# KiCad board visionboard.kicad_pcb (continued)
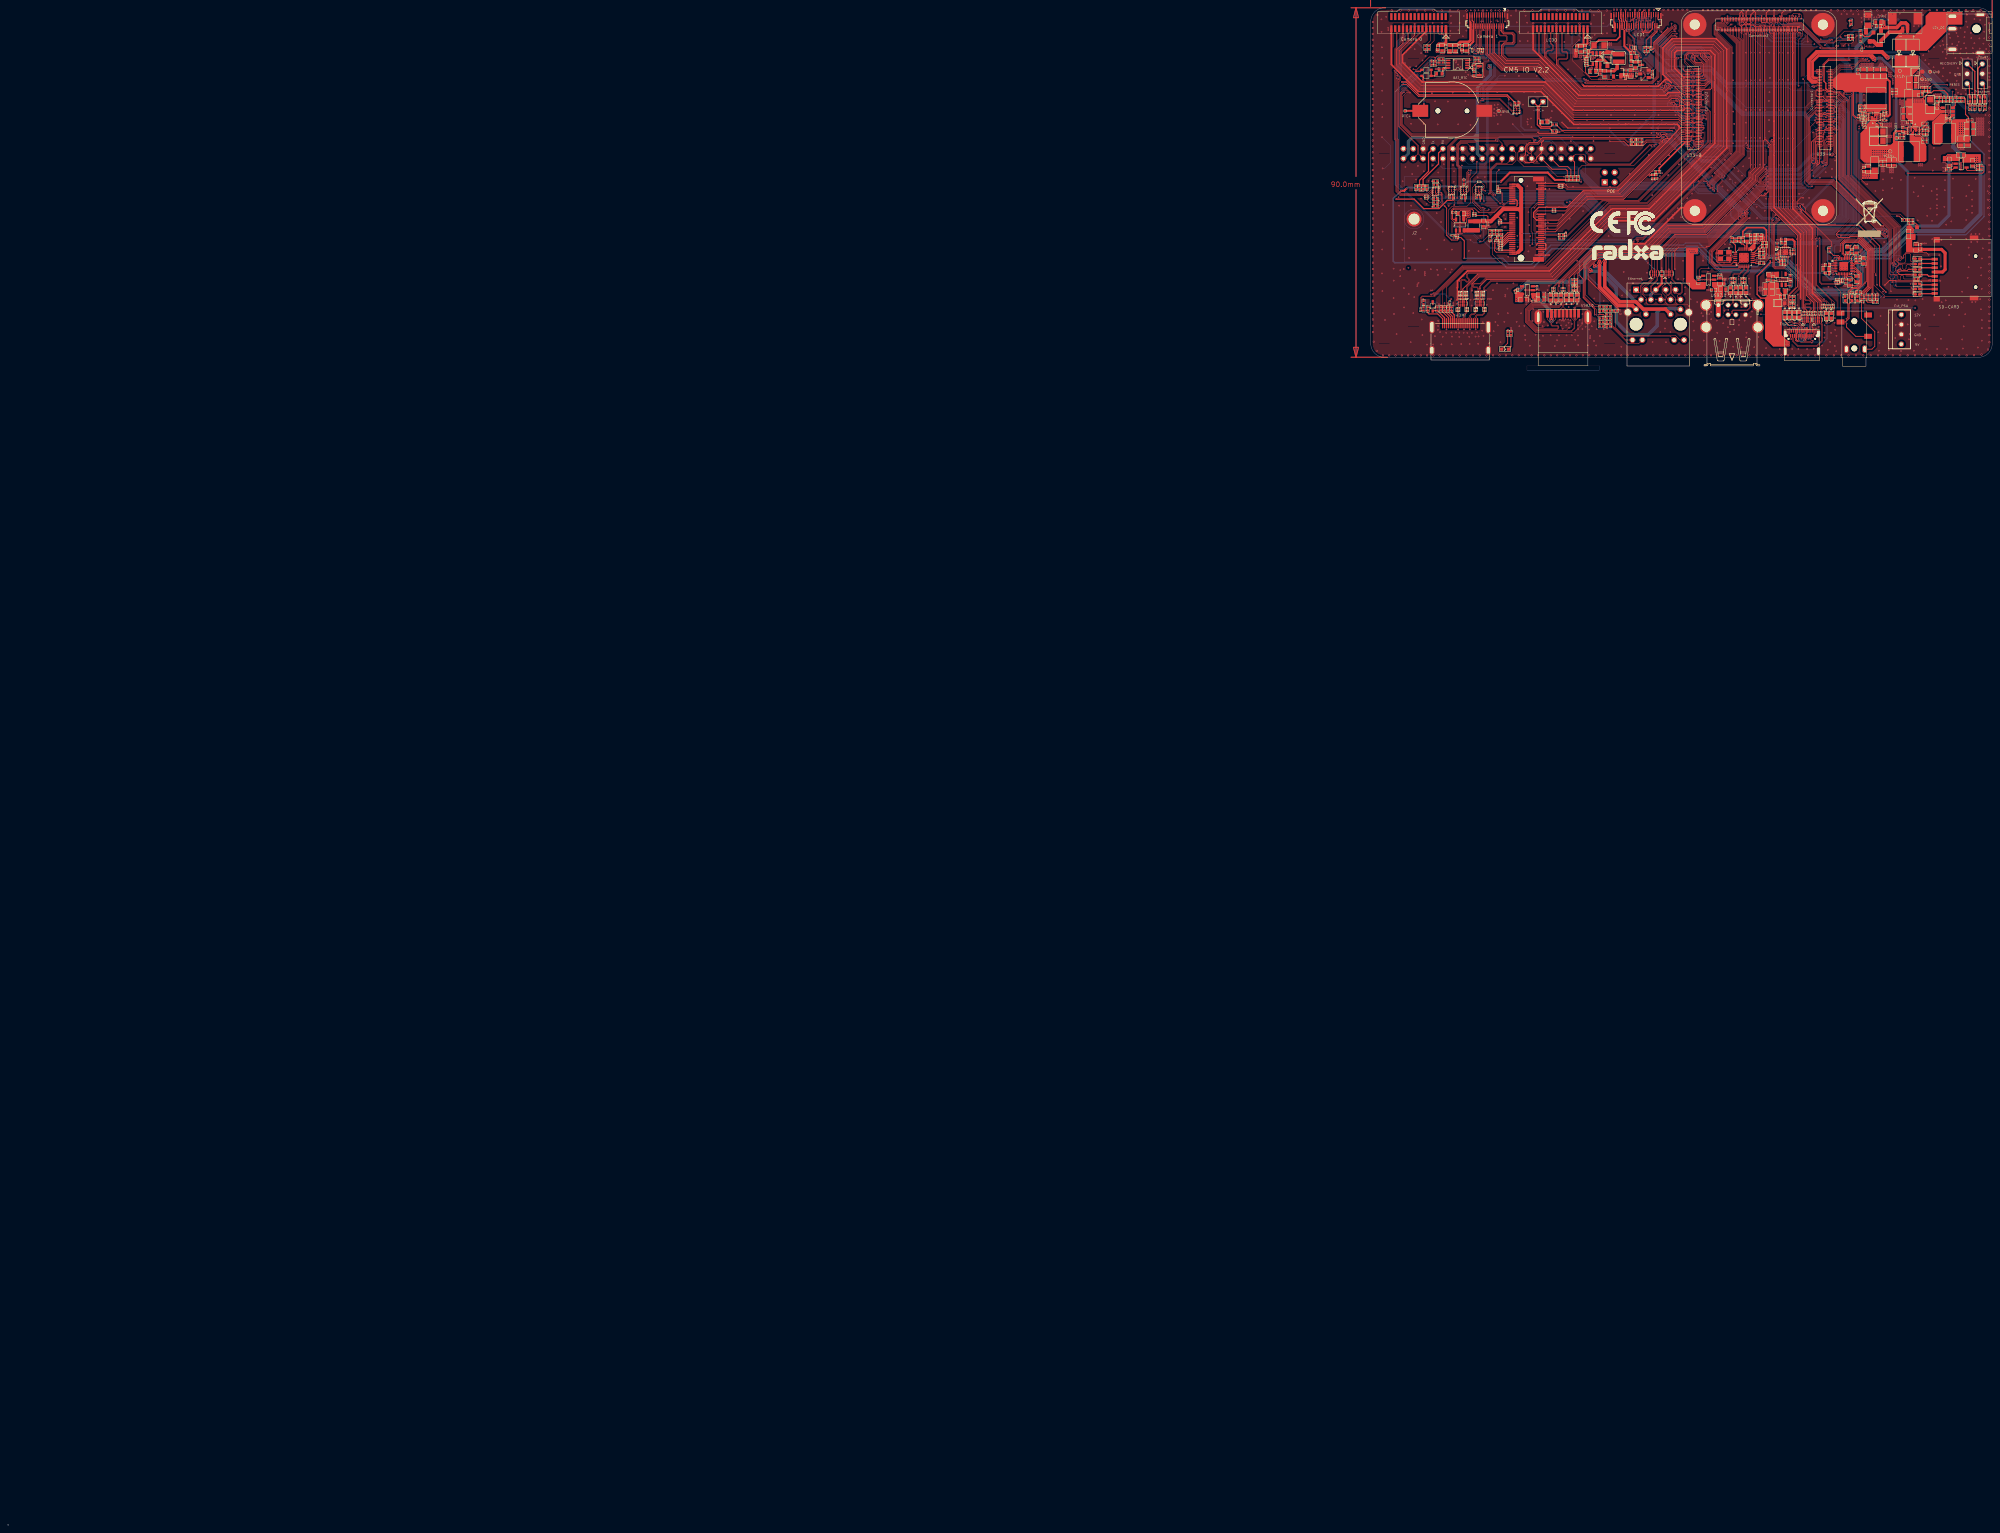
[diagram p0: board, top side]
## Routing (per net, layer and track width the routed paths; a pad name or vN(x,y) marks a point on that pad's centre or on a via; arc(x,y) is an arc through that point) (continued)
  Top w0.1: v1(461.56,385.19) 462.11,384.64 462.11,383.57 461.08,382.54 v1(461.08,370.72) ; J24.10 459.17,388.72 459.79,389.34 461.35,389.34 461.76,388.94 v1(461.76,388.02) ; v1(379.71,379.17) 379.78,379.24 R715.1
  Power w0.1: v1(461.76,388.02) 461.56,387.82 v1(461.56,385.19)
  Bottom w0.1: v1(461.08,370.72) 461.03,370.72 460.71,371.04 442.38,371.04 438.66,374.77 427.01,374.77 421.84,379.94 380.48,379.94 v1(379.71,379.17)
GPIO1_B7: length 130.2
  Top w0.1: U90133.B3 v1(372.81,343.94) ; v1(429.71,384.14) 428.56,384.14 425.13,380.71 425.13,372.94 423.39,371.19 406.46,371.19 406.16,371.49 v1(406.11,371.49) ; J24.12 458.77,388.68 v1(458.76,388.69)
  Power w0.1: v1(458.76,388.69) 458.76,386.93 457.61,385.78 457.61,381.68 457.27,381.34 444.54,381.34 443.01,382.87 430.98,382.87 v1(429.71,384.14) ; v1(372.81,343.94) 372.81,348.59 v1(374.38,350.17)
  Bottom w0.1: v1(374.38,350.17) 374.53,350.02 380.14,350.02 381.26,351.14 381.26,369.36 383.64,371.74 405.86,371.74 v1(406.11,371.49)
GPIO1_B7_E: length 40.8
  Top w0.1: U90133.B1 370.93,344.27 370.93,354.95 373.25,357.27 392.36,357.27 392.96,356.67 v1(392.96,356.47)
  Bottom w0.1: v1(392.96,356.47) 392.96,356.37 397.06,356.37 397.43,356 397.43,355.29
  Bottom w0.4: CON1.32 397.43,355.29
GPIO1_C1: length 225.2
  Top w0.1: J24.20 457.17,386.77 457.46,386.47 461.48,386.47 467.38,380.57 470.33,380.57 v1(470.81,381.04) ; v1(500.73,369.22) 500.73,367.89 R159.1 ; v1(372.41,339.99) 372.58,340.17 372.58,343.12 U90133.C3
  Bottom w0.1: v1(372.41,339.99) 372.71,339.69 373.53,339.69 373.81,339.97 385.31,339.97 385.61,340.27 400.23,340.27 400.98,339.52 405.88,339.52 413.43,331.97 452.96,331.97 454.61,330.32 471.59,330.32 475.91,334.64 475.91,371.03 474.41,372.53 474.41,375.36 474.61,375.56 474.61,376.09 470.83,379.86 470.83,380.92 v1(470.81,381.04) 470.81,382.14 471.36,382.69 473.16,382.69 475.56,385.09 477.74,385.09 480.36,387.72 486.8,387.72 489.16,385.36 489.16,380.49 500.43,369.22 v1(500.73,369.22)
GPIO1_C1_E: length 45.6
  Top w0.1: U90133.C1 370.73,343.97 370.73,355.03 373.17,357.47 392.45,357.47 393.15,356.77 v1(393.36,356.77)
  Bottom w0.1: 399.33,352.59 398.73,353.19 398.73,355.41 397.57,356.57 393.55,356.57 v1(393.36,356.77)
  Bottom w0.4: 399.33,352.59 CON1.33
GPIO1_C4: length 15.4
  Top w0.1: 376.54,355.06 375.79,355.81 374.11,355.81 373.61,355.31 373.61,350.34 374.33,349.62 U90132.A1
  Top w0.4: 376.54,355.06 CON1.16
GPIO1_C4_S: length 115.4
  Top w0.1: U90132.A3 375.63,344.74 375.63,348.42 v1(376.16,348.94) ; v1(438.81,344.4) 438.81,345.32 440.78,347.29 440.78,347.97 446.18,353.37 446.18,382.19 445.17,383.21 J24.79
  Bottom w0.1: v1(376.16,348.94) 376.68,348.42 404.16,348.42 409.48,343.09 415.78,343.09 417.4,344.72 434.69,344.72 435.44,343.97 438.54,343.97 438.81,344.24 v1(438.81,344.4)
GPIO1_C6: length 44.2
  Top w0.1: U90132.C1 373.82,343.95 373.82,349.56 373.21,350.17 373.21,355.47 374.08,356.34 383.51,356.34 v1(383.58,356.42)
  Bottom w0.1: 401.92,355.08 399.51,357.49 384.17,357.49 383.58,356.9 v1(383.58,356.42)
  Bottom w0.4: 401.92,355.08 CON1.36
GPIO1_C6_S: length 116.3
  Top w0.1: v1(376.23,347.84) 376.03,347.64 376.03,343.74 375.73,343.44 U90132.C3 ; v1(439.39,343.62) 439.39,345.3 441.18,347.09 441.18,347.77 446.58,353.17 446.58,382.39 445.97,383.01 J24.75
  Bottom w0.1: v1(376.23,347.84) 376.25,347.82 376.45,348.02 403.97,348.02 409.3,342.69 415.94,342.69 417.57,344.32 434.53,344.32 435.28,343.57 439.34,343.57 v1(439.39,343.62)
GPIO1_D2: length 47.4
  Top w0.1: v1(383.11,356.72) 382.93,356.54 374,356.54 373,355.55 373,350.1 373.62,349.48 373.62,343.65 U90132.D1
  Bottom w0.1: v1(383.11,356.72) 384.08,357.69 401.85,357.69 404.41,355.13
  Bottom w0.4: 404.41,355.13 CON1.38
GPIO1_D2_S: length 116.3
  Top w0.1: J24.83 444.37,383.59 445.98,381.98 445.98,353.47 440.58,348.07 440.58,347.39 438.47,345.28 438.47,344.48 v1(438.31,344.32) ; v1(376.71,348.94) 376.71,347.82 376.23,347.34 376.23,343.64 375.53,342.94 U90132.D3
  Bottom w0.1: v1(376.71,348.94) 377.03,348.62 404.24,348.62 409.57,343.29 415.69,343.29 417.32,344.92 434.78,344.92 435.37,344.32 v1(438.31,344.32)
GPIO1_D5: length 19
  Top w0.1: 379.08,355.06 378.13,356.01 374.03,356.01 373.41,355.39 373.41,350.25 374.02,349.64 374.02,344.25 U90132.B1
  Top w0.4: 379.08,355.06 CON1.18
GPIO1_D5_S: length 115.6
  Top w0.1: v1(439,343.94) 439.19,344.12 439.19,345.38 440.98,347.17 440.98,347.87 446.38,353.27 446.38,382.29 445.57,383.11 J24.77 ; v1(376.08,348.34) 375.83,348.09 375.83,344.44 U90132.B3
  Bottom w0.1: v1(376.08,348.34) 376.21,348.22 404.06,348.22 409.38,342.89 415.86,342.89 417.49,344.52 434.61,344.52 435.36,343.77 438.84,343.77 v1(439,343.94)
GPIO3_B7: length 117.5
  Top w0.1: v1(429.66,383.37) 429.63,383.34 428.33,383.34 425.78,380.79 425.78,372.19 v1(424.83,371.24) ; v1(423.98,355.27) 423.78,355.27 418.66,350.14 405.28,350.14 404.33,349.19 R95592.2 405.08,346.52 v1(405.08,345.94) ; v1(459.66,388.72) 459.96,388.42 459.96,387.82 J24.6 ; v1(400.71,347.29) 398.96,347.29 396.26,349.99 390.31,349.99 388.81,351.49 388.81,353.49 389.19,353.87
  Top w0.5: 389.19,353.87 CON1.26
  Power w0.1: v1(429.66,383.37) 429.63,383.34 430.31,382.67 442.93,382.67 444.46,381.14 457.36,381.14 457.81,381.59 457.81,385.69 459.36,387.24 459.36,388.22 459.66,388.52 v1(459.66,388.72)
  Bottom w0.1: v1(424.83,371.24) 424.83,371.04 423.98,370.19 423.98,363.14 423.58,362.74 423.58,356.32 423.98,355.92 v1(423.98,355.27) ; v1(405.08,345.94) 403.73,347.29 v1(400.71,347.29)
GPIO3_C0: length 102.4
  Top w0.1: v1(429.26,383.69) 428.4,383.69 425.51,380.8 425.51,372.22 425.08,371.79 v1(424.81,371.79) ; v1(460.36,388.64) 460.37,388.64 J24.4 ; v1(424.36,355.62) 424.36,355.64 422.76,355.64 417.68,350.57 407,350.57 406.28,351.28 406.28,352.57 405.76,353.09 403.65,353.09 403.14,352.58
  Top w0.23: CON1.35 403.41,351.06 R95593.2
  Top w0.4: CON1.35 403.14,352.58
  Power w0.1: v1(460.36,388.64) 460.08,388.64 459.56,388.12 459.56,387.16 458.01,385.61 458.01,381.51 457.44,380.94 444.37,380.94 442.85,382.47 429.99,382.47 429.26,383.2 v1(429.26,383.69)
  Bottom w0.1: v1(424.81,371.79) 425.18,371.42 425.18,371.09 424.18,370.09 424.18,363.04 423.78,362.64 423.78,356.42 424.36,355.84 v1(424.36,355.62)
GPIO4_A4: length 115.1
  Top w0.1: v1(406.36,372.29) 406.36,372.07 406.83,371.59 423.22,371.59 424.71,373.08 424.71,381.52 428.76,385.57 v1(429.36,385.57) ; v1(453.56,386.69) 453.57,386.7 J24.38
  Power w0.1: v1(429.36,385.57) 429.59,385.57 431.49,383.67 443.34,383.67 444.87,382.14 453.01,382.14 453.66,382.79 453.66,386.59 v1(453.56,386.69)
  Bottom w0.1: v1(406.36,372.29) 406.26,372.19 383.52,372.19 380.86,369.53 380.86,351.3 380.3,350.74 377.36,350.74 377.11,350.99 377.11,351.12
  Bottom w0.4: 377.11,351.12 CON1.15
GPIO4_A5: length 116.8
  Top w0.1: v1(429.23,386.07) 428.99,385.82 428.73,385.82 424.51,381.6 424.51,373.16 423.14,371.79 407.13,371.79 v1(406.86,372.07) ; v1(453.16,386.99) 453.16,387.82 J24.40
  Power w0.1: v1(429.23,386.07) 429.37,386.07 431.57,383.87 443.43,383.87 444.95,382.34 452.91,382.34 453.46,382.89 453.46,386.12 453.16,386.42 v1(453.16,386.99)
  Bottom w0.1: 375.18,351.34 375.98,350.54 380.38,350.54 381.06,351.22 381.06,369.44 383.56,371.94 406.63,371.94 v1(406.86,372.07)
  Bottom w0.4: CON1.13 375.18,351.34
GPIO4_A6: length 113.8
  Top w0.1: v1(437.58,345.63) 437.58,345.67 437.96,345.67 439.98,347.69 439.98,348.37 445.38,353.77 445.38,381.73 443.17,383.94 J24.89
  Bottom w0.1: 372.62,351.36 373.06,350.92 373.06,350.38 373.82,349.62 404.09,349.62 409.81,343.89 415.45,343.89 417.07,345.52 437.46,345.52 v1(437.58,345.63)
  Bottom w0.4: CON1.11 372.62,351.36
GPIO4_A7: length 119.2
  Top w0.1: v1(437.76,345.16) 437.76,345.29 437.88,345.29 440.18,347.59 440.18,348.27 445.58,353.67 445.58,381.81 443.57,383.82 J24.87
  Bottom w0.1: 367.56,351.34 369.49,349.42 404.01,349.42 409.73,343.69 415.53,343.69 417.15,345.32 434.94,345.32 435.21,345.05 437.65,345.05 v1(437.76,345.16)
  Bottom w0.4: CON1.7 367.56,351.34
GSENSOR_INT: length 59.2
  Top w0.1: v1(421.76,378.64) 422.26,379.14 422.26,379.57 R95541.2 ; v1(468.18,360.04) 468.18,360.22 468.74,360.78 U33.29
  Bottom w0.1: v1(468.18,360.04) 468.13,359.99 467.28,359.99 467.16,360.12 467.16,361.19 467.91,361.94 467.91,362.14 467.21,362.84 463.74,362.84 462.81,363.77 446.77,363.77 437.17,373.37 427.26,373.37 421.98,378.64 v1(421.76,378.64)
HDMI0_SBDN: length 10.5
  Top w0.051: 365.75,312.79 365.75,312.98 ; 365.59,312.93 365.59,313.12 ; 365.71,312.82 365.71,313.01 ; 365.64,312.89 365.64,313.08 ; 365.78,312.75 365.78,312.94 ; 365.62,312.91 365.62,313.1 ; 365.45,312.79 365.45,312.98 ; 365.67,312.85 365.67,313.04 ; 365.57,312.9 365.57,313.09 ; 365.41,312.75 365.41,312.94 ; 365.54,312.86 365.54,313.05 ; 365.52,312.84 365.52,313.03 ; 365.49,312.81 365.49,313
  Top w0.1: ED1.1 365.57,312.83 R95282.2 364.46,312.77 C90430.2
  Top w0.25: ED1.1 365.61,312.27 365.93,311.94 368.18,311.94 369.43,310.69 J1.19
HDMI0_SBDP: length 8.2
  Top w0.051: 370.93,312.82 370.93,313.01 ; 370.82,312.93 370.82,313.12 ; 370.74,312.84 370.74,313.03 ; 371.01,312.75 371.01,312.94 ; 370.84,312.91 370.84,313.1 ; 370.77,312.86 370.77,313.05 ; 370.89,312.85 370.89,313.04 ; 370.68,312.79 370.68,312.98 ; 370.64,312.75 370.64,312.94 ; 370.87,312.89 370.87,313.08 ; 370.97,312.79 370.97,312.98 ; 370.79,312.9 370.79,313.09 ; 370.72,312.81 370.72,313
  Top w0.1: C90429.2 371.28,313.24 ED5.1
  Top w0.25: J1.14 371.93,311.34 370.83,312.44 ED5.1
HDMI0_TX0N: length 130.4
  Top w0.1: L5005.2 375.18,317.52 R957.1 375.01,317.64 375.01,317.84 375.11,317.94 375.46,317.94 375.61,318.09 375.61,318.97 378.58,321.94 397.43,321.94 413.38,337.89 423.02,337.89 440.63,355.5 440.63,379.12 438.88,380.87 429.34,380.87 428.13,379.66 428.13,374.64 431.46,371.32 431.78,371.32 432.04,371.58 U33.184
HDMI0_TX0N_PORT: length 2.8
  Top w0.1: R95267.1 375.39,313.29 375.39,313.28 375.43,313.31 L5009.2 375.13,313.61 U3807.9 U3807.2 375.13,315.58 C90422.2
HDMI0_TX0N_PORT_C: length 3.7
  Top w0.1: L5009.3 375.51,312.69 375.51,312.39 374.83,311.72 374.83,311.12 374.43,310.72 J1.9
HDMI0_TX0P: length 130.9
  Top w0.1: R956.1 375.69,317.52 375.69,317.5 375.66,317.54 L5005.1 375.81,317.69 375.81,318.87 378.68,321.74 397.53,321.74 413.48,337.69 423.11,337.69 440.83,355.42 440.83,379.22 438.96,381.09 429.29,381.09 427.93,379.74 427.93,374.54 431.36,371.12 431.98,371.12 432.04,371.18 U33.182
HDMI0_TX0P_PORT: length 2.7
  Top w0.1: C90421.2 375.63,315.84 U3807.1 U3807.10 375.63,313.59 L5009.1
HDMI0_TX0P_PORT_C: length 3.8
  Top w0.1: J1.7 375.43,310.77 375.03,311.17 375.03,311.62 375.71,312.29 375.71,312.57 L5009.4
HDMI0_TX1N: length 135.3
  Top w0.1: U33.178 432.02,370.38 431.93,370.29 431.36,370.29 427.43,374.22 427.43,379.95 429.08,381.59 439.26,381.59 441.33,379.52 441.33,355.21 423.31,337.19 413.73,337.19 397.78,321.24 380.53,321.24 379.16,319.87 377.53,319.87 377.23,319.56 377.23,318.97 377.51,318.69 378.28,318.69 378.51,318.47 378.51,318.05 378.35,317.89 377.68,317.89 377.56,317.77 377.56,317.62 377.63,317.54 R955.1 378.01,317.55 L5004.2
HDMI0_TX1N_PORT: length 2.9
  Top w0.1: R95264.1 377.67,313.29 377.67,313.28 377.7,313.31 L5007.2 377.7,313.61 378.03,313.94 U3806.1 U3806.10 378.01,315.13 C90420.2
HDMI0_TX1N_PORT_C: length 4.5
  Top w0.1: J1.6 375.93,310.74 376.36,311.17 376.36,311.49 376.81,311.94 377.41,311.94 377.81,312.34 377.81,312.64 R95264.2 377.67,312.79 377.67,312.81 377.7,312.78 L5007.3
HDMI0_TX1P: length 135.2
  Top w0.1: L5004.1 R954.1 378.71,317.72 378.71,318.55 378.36,318.89 377.59,318.89 377.43,319.05 377.43,319.48 377.62,319.67 379.26,319.67 380.63,321.04 397.91,321.04 413.86,336.99 423.4,336.99 441.53,355.13 441.53,379.62 439.36,381.79 429,381.79 427.23,380.03 427.23,374.13 431.26,370.09 431.93,370.09 432.05,369.98 U33.176
HDMI0_TX1P_PORT: length 2.9
  Top w0.1: C90427.2 378.53,315.63 U3806.9 U3806.2 378.53,313.97 378.18,313.62 L5007.1 378.18,313.29 R95263.1
HDMI0_TX1P_PORT_C: length 4.5
  Top w0.1: L5007.4 378.18,312.77 378.22,312.81 378.22,312.79 R95263.2 378.01,312.57 378.01,312.24 377.51,311.74 376.91,311.74 376.56,311.39 376.56,311.14 376.93,310.77 J1.4
HDMI0_TX2N: length 135.3
  Top w0.1: L5003.2 379.55,317.57 R953.1 379.51,317.59 379.36,317.59 379.28,317.67 379.28,317.87 379.41,317.99 379.88,317.99 380.01,318.12 380.01,318.74 381.81,320.54 398.16,320.54 414.11,336.49 423.61,336.49 442.03,354.92 442.03,379.87 439.61,382.29 428.79,382.29 426.73,380.24 426.73,373.89 431.56,369.07 431.93,369.07 432.04,369.18 U33.172
HDMI0_TX2N_PORT: length 2.9
  Top w0.1: C90426.2 379.53,315.94 379.53,315.62 U3806.7 U3806.4 379.53,313.77 379.95,313.35 L5008.2 379.95,313.31 379.92,313.28 379.92,313.29 R95266.1
HDMI0_TX2N_PORT_C: length 5.3
  Top w0.1: J1.3 377.43,310.72 377.88,311.17 377.88,311.44 378.21,311.77 379.63,311.77 380.08,312.22 380.08,312.62 R95266.2
HDMI0_TX2P: length 135.6
  Top w0.1: R952.1 380.07,317.57 380.07,317.55 380.03,317.59 L5003.1 380.21,317.77 380.21,318.64 381.91,320.34 398.26,320.34 414.21,336.29 423.69,336.29 442.23,354.83 442.23,379.97 439.71,382.49 428.71,382.49 426.53,380.32 426.53,373.79 431.46,368.87 431.96,368.87 432.05,368.78 U33.170
HDMI0_TX2P_PORT: length 2.9
  Top w0.1: C90425.2 380.03,315.92 U3806.6 U3806.5 380.03,313.84 380.43,313.44 L5008.1 380.43,313.31 380.47,313.28 380.47,313.29 R95265.1
HDMI0_TX2P_PORT_C: length 5.2
  Top w0.1: L5008.4 380.28,312.62 380.28,312.12 379.73,311.57 378.31,311.57 378.08,311.34 378.08,311.09 378.46,310.72 378.46,309.54 J1.1
HDMI0_TX3N: length 130.5
  Top w0.1: L5006.2 373.68,317.52 R959.1 373.58,317.52 373.53,317.57 373.53,317.89 373.63,317.99 373.93,317.99 374.11,318.17 374.11,320.57 374.43,320.89 375.09,320.89 375.64,320.34 375.93,320.34 376.16,320.57 376.16,320.81 375.61,321.36 375.61,322.19 376.06,322.64 397.08,322.64 413.08,338.64 422.78,338.64 439.93,355.79 439.93,378.77 438.53,380.17 429.63,380.17 428.83,379.37 428.83,374.99 431.36,372.47 431.73,372.47 432.04,372.78 U33.190
HDMI0_TX3N_PORT: length 2.9
  Top w0.1: C90423.2 373.63,315.89 U3807.5 U3807.6 373.63,313.94 373.13,313.44 L5010.2 373.13,313.31 373.09,313.28 373.09,313.29 R95270.1
HDMI0_TX3N_PORT_C: length 3.5
  Top w0.1: J1.12 372.93,310.74 373.31,311.12 373.31,312.59 L5010.3
HDMI0_TX3P: length 130.8
  Top w0.1: R958.1 L5006.1 374.31,317.67 374.31,320.47 374.49,320.65 375.05,320.65 375.56,320.14 376.03,320.14 376.36,320.47 376.36,320.89 375.81,321.44 375.81,322.09 376.16,322.44 397.18,322.44 413.18,338.44 422.86,338.44 440.13,355.71 440.13,378.87 438.63,380.37 429.55,380.37 428.63,379.45 428.63,374.89 431.26,372.27 431.93,372.27 432.04,372.38 U33.188
HDMI0_TX3P_PORT: length 3
  Top w0.1: R95269.1 L5010.1 373.61,313.31 373.64,313.28 373.64,313.29 R95269.1 ; R95269.1 374.13,313.77 U3807.7 U3807.4 374.13,315.84 C90424.2
HDMI0_TX3P_PORT_C: length 3.6
  Top w0.1: R95269.2 373.64,312.79 373.64,312.81 373.61,312.77 L5010.4 R95269.2 ; R95269.2 373.51,312.64 373.51,311.17 373.93,310.74 J1.10
HDMI0_TX_SBDN_C: length 104.3
  Top w0.1: U33.147 435.67,364.38 435.86,364.57 437.03,364.57 437.86,363.75 437.86,356.16 422.09,340.39 412.26,340.39 396.08,324.22 374.62,324.22 367.62,317.22 367.18,317.22 366.53,316.57 364.13,316.57 363.76,316.19 C90430.1
HDMI0_TX_SBDP_C: length 104.6
  Top w0.1: v1(366.41,316.97) 366.65,316.97 367.1,317.42 367.54,317.42 374.54,324.42 395.98,324.42 412.18,340.62 422.03,340.62 437.66,356.24 437.66,363.66 436.95,364.37 436.06,364.37 435.67,363.98 U33.145 ; v1(371.68,315.79) 371.28,315.39 C90429.1
  Bottom w0.1: v1(371.68,315.79) 371.41,315.79 370.06,317.14 366.58,317.14 v1(366.41,316.97)
HDMI_TX0_CEC_PORT: length 112.9
  Top w0.051: 371.64,312.84 371.64,313.03 ; 371.79,312.85 371.79,313.04 ; 371.72,312.93 371.72,313.12 ; 371.87,312.79 371.87,312.98 ; 371.67,312.86 371.67,313.05 ; 371.62,312.81 371.62,313 ; 371.54,312.75 371.54,312.94 ; 371.77,312.89 371.77,313.08 ; 371.83,312.82 371.83,313.01 ; 371.58,312.79 371.58,312.98 ; 371.69,312.9 371.69,313.09 ; 371.74,312.91 371.74,313.1 ; 371.91,312.75 371.91,312.94
  Top w0.1: v1(367.26,316.79) 367.48,316.79 374.68,323.99 396.47,323.99 412.47,339.99 422.25,339.99 438.26,355.99 438.26,363.91 436.99,365.18 U33.151
  Top w0.25: ED9206.1 371.81,312.79
  Top w0.3: 371.81,312.79 v1(371.81,312.34) 372.43,311.72 J1.13
  Bottom w0.1: v1(371.81,312.34) 371.81,315.09 369.96,316.94 367.41,316.94 v1(367.26,316.79)
HDMI_TX0_HPD_M0: length 105.7
  Top w0.1: R95282.1 R95615.1 363.96,315.02 363.96,316.09 364.23,316.37 367.35,316.37 374.77,323.79 396.56,323.79 412.56,339.79 422.34,339.79 438.46,355.91 438.46,363.99 437.06,365.39 435.88,365.39 435.7,365.58 U33.153
HDMI_TX0_SCL_5V: length 132.8
  Top w0.051: 369.87,312.86 369.87,313.05 ; 369.84,312.84 369.84,313.03 ; 369.89,312.9 369.89,313.09 ; 369.92,312.93 369.92,313.12 ; 369.74,312.75 369.74,312.94 ; 369.99,312.85 369.99,313.04 ; 370.07,312.79 370.07,312.98 ; 370.11,312.75 370.11,312.94 ; 369.82,312.81 369.82,313 ; 369.94,312.91 369.94,313.1 ; 369.78,312.79 369.78,312.98 ; 370.03,312.82 370.03,313.01 ; 369.97,312.89 369.97,313.08
  Top w0.1: U33.200 433.32,374.78 433.38,374.84 433.38,374.95 431.66,376.67 431.66,378.55 432.5,379.39 438.23,379.39 439.16,378.47 439.16,356.05 422.5,339.39 412.75,339.39 396.75,323.39 374.94,323.39 370.36,318.81 370.36,313.22 ED3.1
  Top w0.25: ED3.1 369.86,312.79 371.43,311.22 J1.15
HDMI_TX0_SDA_5V: length 133
  Top w0.051: 369.09,312.85 369.09,313.04 ; 368.92,312.81 368.92,313 ; 368.97,312.86 368.97,313.05 ; 369.02,312.93 369.02,313.12 ; 369.04,312.91 369.04,313.1 ; 369.17,312.79 369.17,312.98 ; 368.99,312.9 368.99,313.09 ; 368.94,312.84 368.94,313.03 ; 369.07,312.89 369.07,313.08 ; 368.84,312.75 368.84,312.94 ; 369.13,312.82 369.13,313.01 ; 368.88,312.79 368.88,312.98 ; 369.21,312.75 369.21,312.94
  Top w0.1: ED2.1 369.48,313.24 369.48,318.22 374.86,323.59 396.64,323.59 412.64,339.59 422.42,339.59 438.96,356.13 438.96,378.39 438.15,379.19 432.58,379.19 431.86,378.47 431.86,377.02 434.11,374.77 435.17,374.77 U33.199
  Top w0.25: ED2.1 369.11,312.79 370.93,310.97 J1.16
HOST_WAKE_BT_H: length 148.2
  Top w0.1: v1(474.76,375.22) 474.63,375.34 471.92,375.34 469.76,373.18 U33.91 ; R95154.1 383.5,330.61 383.01,330.11 383.01,328.87 383.43,328.44 R95152.1 ; R95154.1 383.5,330.77 383.51,330.77 383.06,331.22 v1(383.06,331.22) ; R95154.1 R95147.1
  Bottom w0.1: v1(474.76,375.22) 474.76,372.52 476.11,371.17 476.11,334.34 471.88,330.12 454.51,330.12 452.88,331.74 418.44,331.74 417.91,331.22 v1(383.06,331.22)
HP_DET_L: length 91.9
  Top w0.1: v1(466.46,331.44) 466.61,331.29 466.61,320.24 467.06,319.79 R90341.2 ; v1(453.98,386.99) 453.98,387.82 J24.36
  Bottom w0.1: v1(453.98,386.99) 454.61,386.37 461.16,386.37 465.78,381.75 467.74,381.75 473.31,376.18 473.31,372.14 474.91,370.54 474.91,335.52 470.5,331.12 466.78,331.12 v1(466.46,331.44)
HP_INT: length 55.6
  Top w0.1: v1(461.51,338.44) 461.51,338.22 465.38,334.34 465.38,332.02 466.41,330.99 466.41,320.16 467.07,319.49 471.93,319.49 472.43,319.99 R95573.2 ; U33.20 467.76,358.78 v1(467.76,358.74)
  Bottom w0.1: v1(467.76,358.74) 470.66,358.74 470.88,358.52 470.88,347.72 461.6,338.44 v1(461.51,338.44)
HPOL: length 22.4
  Top w0.051: 474.87,315.56 474.87,315.75 ; 474.82,315.6 474.82,315.79 ; 474.84,315.59 474.84,315.78 ; 474.79,315.58 474.79,315.77 ; 474.77,315.54 474.77,315.73 ; 474.68,315.46 474.68,315.65 ; 474.89,315.52 474.89,315.71 ; 474.72,315.49 474.72,315.68 ; 474.93,315.5 474.93,315.69 ; 474.74,315.51 474.74,315.7 ; 474.64,315.42 474.64,315.61 ; 475.01,315.42 475.01,315.61 ; 474.97,315.46 474.97,315.65
  Top w0.2: U90129.20 475.56,324.03 477.28,322.32 477.28,319.52 476.23,318.47 475.03,318.47 474.51,317.94 R90338.2 474.13,317.04 474.13,315.98 ED2111.1 474.08,314.53 474.08,310.8 473.16,309.87 J15.3
HPOR: length 28.3
  Top w0.051: 472.93,315.45 472.93,315.64 ; 472.97,315.48 472.97,315.67 ; 473.18,315.49 473.18,315.68 ; 472.89,315.41 472.89,315.6 ; 473.07,315.59 473.07,315.78 ; 473.04,315.57 473.04,315.76 ; 472.99,315.5 472.99,315.69 ; 473.22,315.45 473.22,315.64 ; 473.26,315.41 473.26,315.6 ; 473.1,315.58 473.1,315.77 ; 473.12,315.55 473.12,315.74 ; 473.15,315.51 473.15,315.71 ; 473.02,315.53 473.02,315.72
  Top w0.2: v1(473.43,309.47) 473.43,308.54 475.8,306.17 J15.6 ; U90129.19 475.53,323.63 476.98,322.18 476.98,319.64 476.11,318.77 474.88,318.77 473.83,317.72 473.83,316.02 473.08,315.27 ED2110.1 473.78,314.58 473.78,311.07 v1(473.41,310.69)
  Bottom w0.2: v1(473.41,310.69) 473.43,310.67 v1(473.43,309.47)
I2C4_SCL_M3_WIFI: length 131.8
  Top w0.1: v1(470.21,364.44) 469.87,364.78 U33.49 ; v1(380.06,341.02) 380.06,342.47 379.63,342.89 U90135.D3
  Bottom w0.1: v1(470.21,364.44) 472.43,364.44 473.28,363.59 473.28,336.77 470.07,333.57 414.28,333.57 406.38,341.47 383.94,341.47 383.64,341.17 380.21,341.17 v1(380.06,341.02)
I2C4_SCL_M3_WIFI_E: length 19
  Top w0.1: v1(383.58,328.79) 383.59,328.82 383.81,329.04 R95150.1 ; U90135.D1 377.86,342.89 377.66,342.69 377.66,340.98 379.32,339.32 v1(379.81,339.32)
  Bottom w0.1: v1(379.81,339.32) 379.88,339.24 379.88,330.67 381.76,328.79 v1(383.58,328.79)
I2C4_SDA_M3_WIFI: length 116.9
  Top w0.1: U90135.C3 379.51,343.67 v1(380.43,343.67) 380.43,343.67 ; U33.25 469.92,359.98 470.11,359.79 v1(470.46,359.79)
  Bottom w0.1: v1(380.43,343.67) 407.48,343.67 408.71,342.44 416.11,342.44 417.73,344.07 434.28,344.07 435.28,343.07 440.45,343.07 443.68,339.84 443.68,337.29 445.41,335.57 459.13,335.57 471.08,347.52 471.08,358.6 470.46,359.23 v1(470.46,359.79)
I2C4_SDA_M3_WIFI_E: length 20.3
  Top w0.1: U90135.C1 377.86,343.39 377.46,342.99 377.46,340.9 379.41,338.94 380.11,338.94 v1(380.26,339.09) ; v1(383.63,329.62) R95149.1
  Bottom w0.1: v1(380.26,339.09) 380.08,338.92 380.08,330.77 381.86,328.99 383.28,328.99 383.63,329.34 v1(383.63,329.62)
I2C6_SCL_M3: length 189.3
  Top w0.1: v1(441.73,347.07) 441.58,347.22 441.58,347.57 446.98,352.97 446.98,383.79 446.77,384 J24.71 ; v1(359.47,369.02) 359.43,369.06 358.91,369.06 358.71,368.86 358.71,360.62 361.43,357.89 425.23,357.89 425.55,358.21 v1(425.5,358.26) ; U2602.6 457.9,326.47 458.19,326.17 458.19,324.87 457.27,323.94 455.09,323.94 454.75,324.29 454.75,335.02 455.78,336.05 455.78,336.44 v1(455.86,336.52) ; v1(368.16,376.69) R120.2
  Bottom w0.1: v1(368.16,376.69) 367.56,376.69 363.99,373.12 363.31,373.12 359.47,369.28 v1(359.47,369.02) ; v1(425.5,358.26) 425.5,358.47 425.68,358.64 427.62,358.64 428.17,358.09 428.89,358.09 435.94,351.04 438.17,351.04 441.68,347.54 441.68,347.07 v1(441.73,347.07) 441.73,346.74 451.78,336.69 454.73,336.69 455.11,336.32 455.66,336.32 v1(455.86,336.52)
I2C6_SDA_M3: length 188
  Top w0.1: v1(424.98,358.24) 425,358.24 425,358.23 424.87,358.1 361.52,358.1 358.91,360.72 358.91,368.56 v1(359.06,368.71) ; v1(442.03,347.47) 442.03,347.72 447.18,352.87 447.18,384.7 447.17,384.71 J24.69 ; U2602.7 458.4,324.79 457.35,323.74 455.01,323.74 454.55,324.2 454.55,335.32 455.31,336.07 v1(455.31,336.67) ; v1(368.16,377.57) R95377.2
  Bottom w0.1: v1(455.31,336.67) 455.06,336.67 454.83,336.89 451.86,336.89 442.08,346.68 442.08,347.47 v1(442.03,347.47) 438.26,351.24 436.02,351.24 428.97,358.29 428.26,358.29 427.71,358.84 425.58,358.84 v1(424.98,358.24) ; v1(368.16,377.57) 363.91,373.32 363.23,373.32 359.06,369.15 v1(359.06,368.71)
I2C7_SCL_M2: length 159.7
  Top w0.1: U33.80 465.92,370.78 465.69,370.54 465.26,370.54 v1(465.06,370.34) ; J7.3 368.23,384.22 368.58,383.87 v1(369.63,383.87) ; v1(357.71,373.82) 358.58,372.94 358.58,372.15 358.21,371.78 358.21,360.3 363.31,355.2 363.31,353.06 363.82,352.54 ; v1(402.73,384.24) J6.5
  Top w0.4: 363.82,352.54 CON1.5
  Bottom w0.1: v1(357.71,373.82) 358.16,374.27 358.16,381.9 360.9,384.64 369.38,384.64 369.63,384.39 v1(369.63,383.87) 369.63,382.1 370.46,381.27 402.36,381.27 402.73,381.64 v1(402.73,384.24) 403.08,384.59 403.88,384.59 404.08,384.39 404.08,384.18 405.51,382.75 405.51,381.18 405.94,380.74 423.14,380.74 428.09,375.79 438.49,375.79 442.64,371.64 464.25,371.64 464.93,370.96 464.93,370.47 v1(465.06,370.34)
I2C7_SDA_M2: length 157.4
  Top w0.1: v1(464.58,370.52) 464.81,370.74 465.58,370.74 466.02,371.18 U33.82 ; v1(403.73,384.24) J6.4 ; v1(357.73,373.29) 357.95,373.29 358.38,372.86 358.38,372.23 358.01,371.86 358.01,360.21 363.06,355.17 363.06,353.14 362.47,352.55 ; v1(369.23,384.29) J7.2
  Top w0.4: CON1.3 362.47,352.55
  Bottom w0.1: v1(357.73,373.29) 358.36,373.92 358.36,381.82 360.98,384.44 369.08,384.44 v1(369.23,384.29) 369.23,382.22 370.41,381.04 402.43,381.04 402.93,381.54 402.93,383.82 403.36,384.24 v1(403.73,384.24) 405.31,382.67 405.31,381.09 405.86,380.54 423.06,380.54 428.01,375.59 438.41,375.59 442.56,371.44 464.16,371.44 464.73,370.87 464.73,370.67 v1(464.58,370.52)
I2C8_SCL_M2: length 64.9
  Top w0.1: v1(389.43,364.33) 389.4,364.31 U90136.B1 ; R95612.2 418.18,355.68 v1(417.69,355.68) ; v1(420.11,378.27) 420.12,378.27 420.12,378.9 419.16,379.86 418.84,379.86 R95472.1
  Bottom w0.1: v1(389.43,364.33) 389.76,364 389.76,360.26 390.64,359.38 412.4,359.38 416.24,355.53 417.54,355.53 v1(417.69,355.68) 417.69,356.28 417.34,356.63 417.34,357.08 423.58,363.32 423.58,374.81 420.79,377.6 420.36,377.6 420.11,377.85 v1(420.11,378.27)
